# Altium PCB PCB1.PcbDoc (part 5 of 6) (continued)
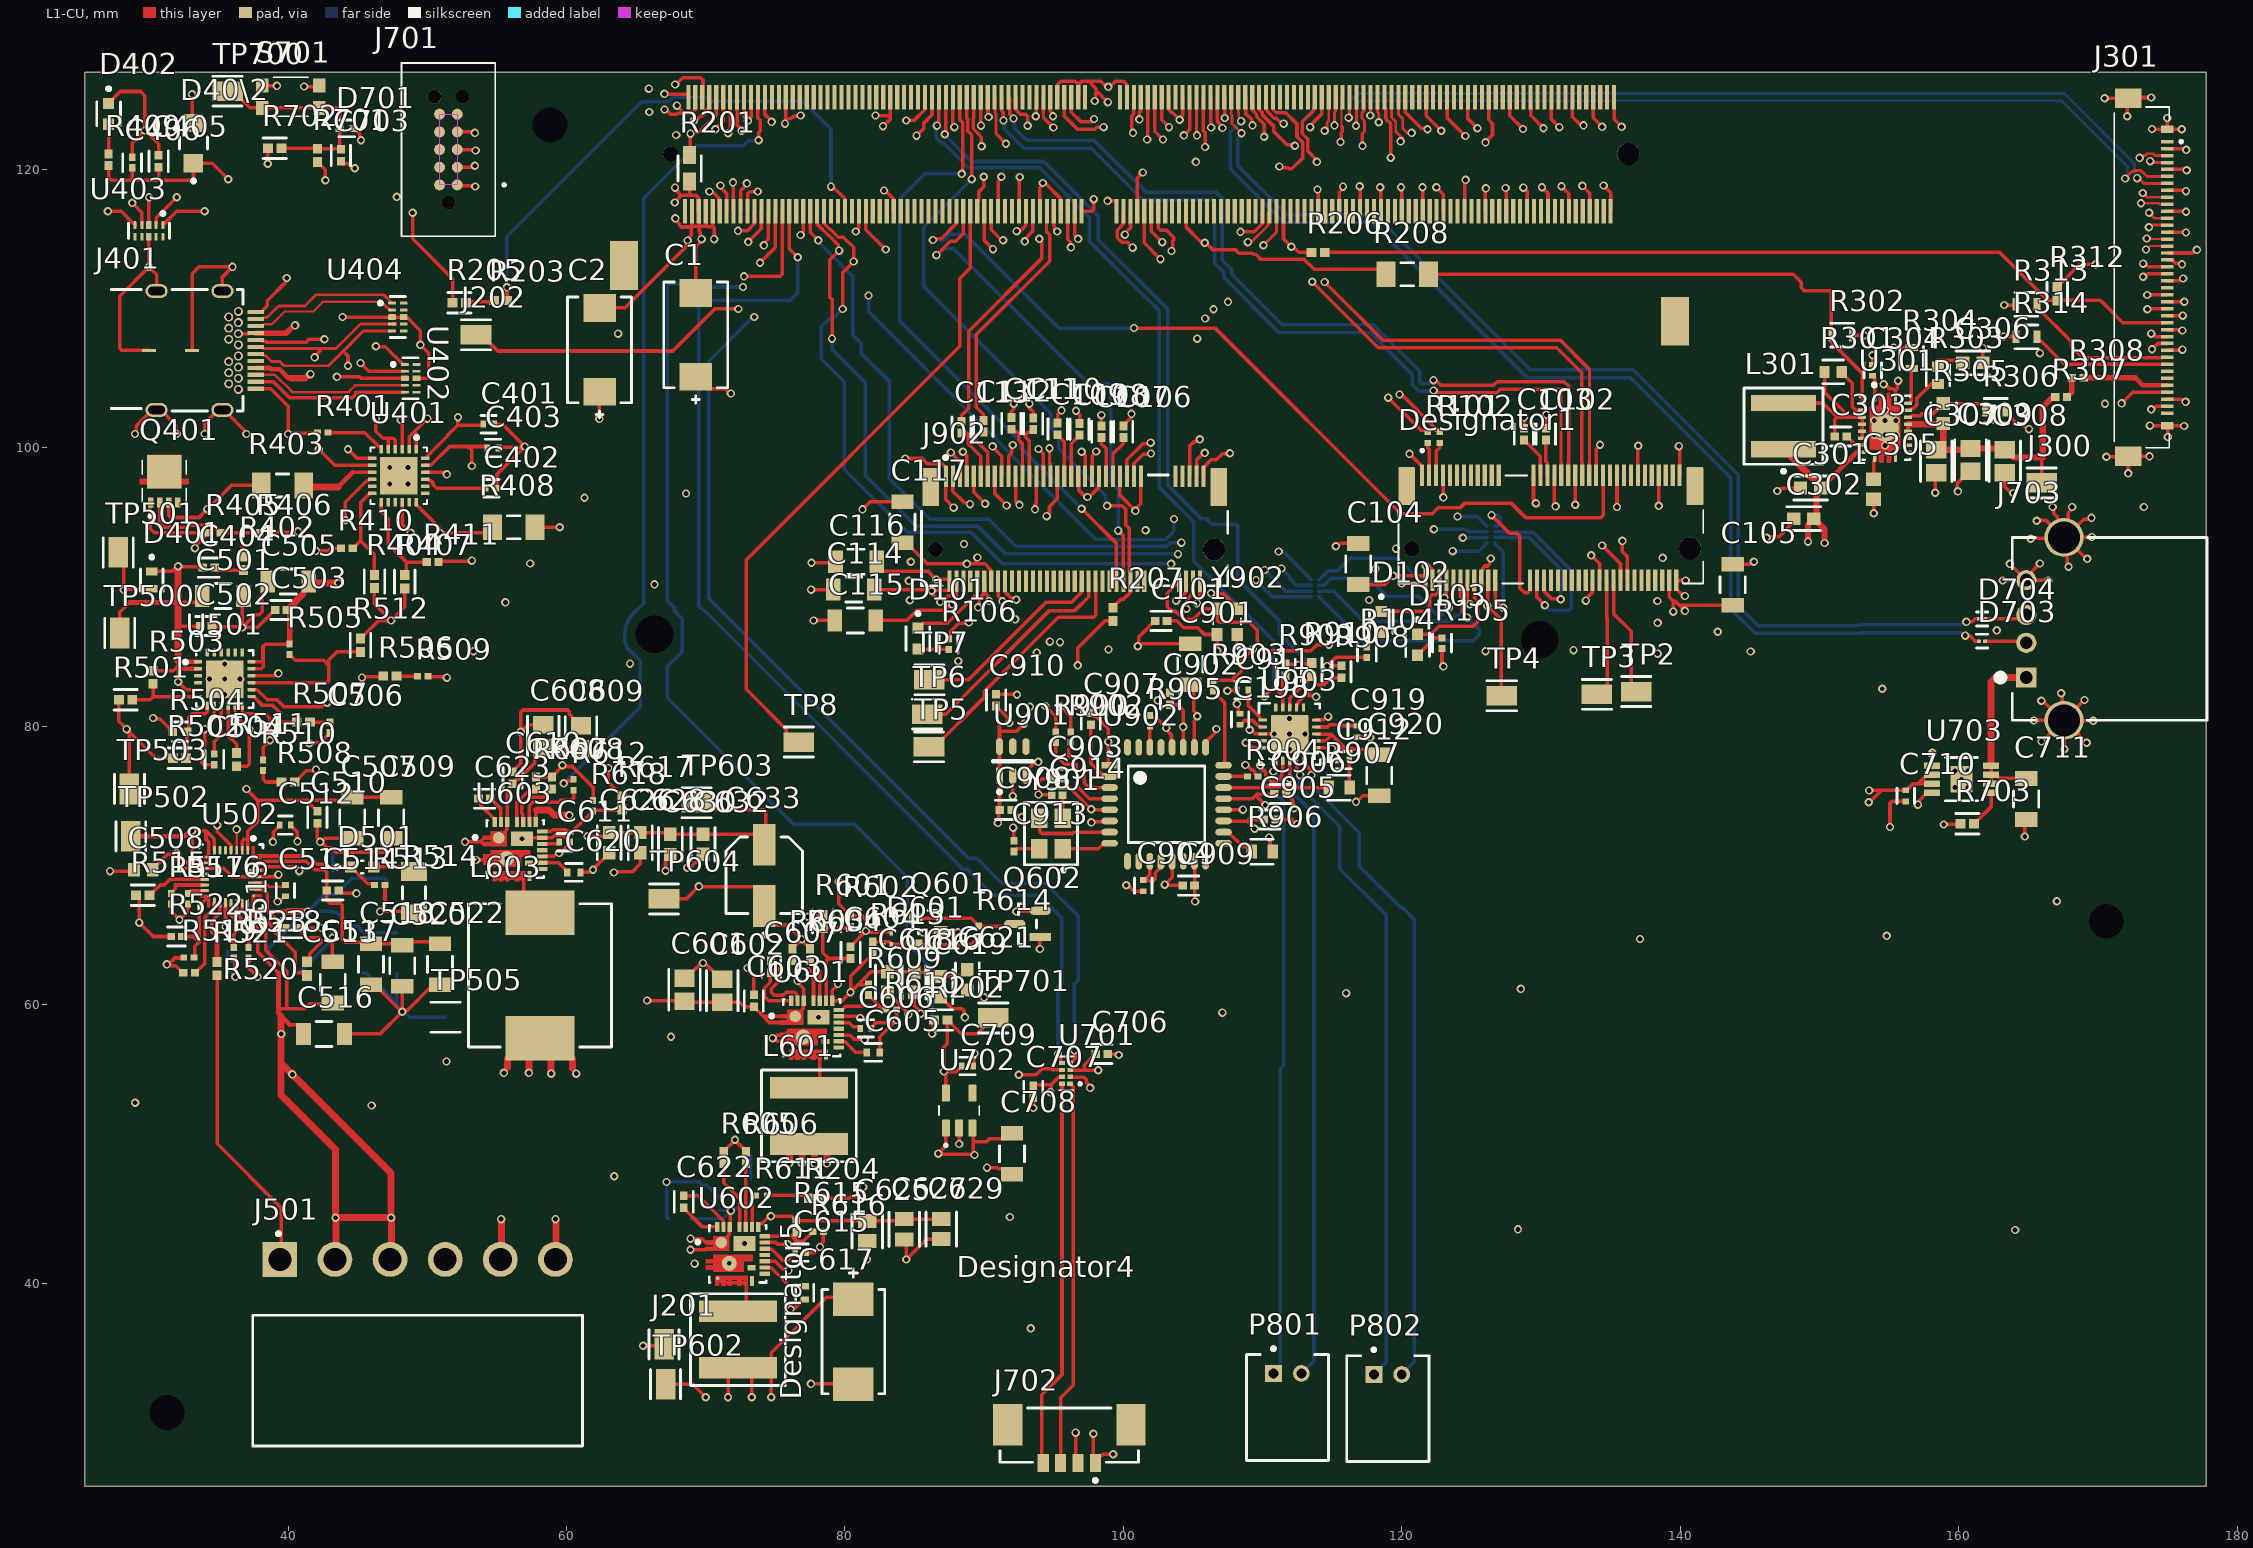
[diagram p0: L1-CU view]
## Nets (pads, with @x,y where several pads share a name; then routed paths per layer and width w, separated by ;. In a path a pad name is that pad's centre, name@x,y a point inside that pad or via, vN(x,y) a via of type N, cw(c..) or ccw(c..) an arc to the next point about the centre after c; other vN are vias at no path point) (continued)
  L1-CU w0.254: R208.2@121.922,112.471 148.107,112.471 148.688,111.891 148.688,111.51 148.895,111.303 150.837,111.303 150.837,107.604 153.061,105.38 U301.2@153.061,103.198
NetR301_2: R301.2 U301.3 | length 3.6
  L1-CU w0.254: R301.2@151.598,105.461 151.598,105.397 152.349,104.646 152.349,102.943 152.587,102.705 153.054,102.705 U301.3@153.061,102.698
NetR303_1: R303.1 U301.18 | length 3.4
  L1-CU w0.254: U301.18@156.534,102.705 156.643,102.814 156.686,102.814 156.693,102.821 156.738,102.821 156.975,103.057 156.975,103.535 158.032,104.592 R303.1@158.242,104.592 ; R303.1@158.212,104.42 158.242,104.45 R303.1@158.242,104.592 ; R303.1@158.242,104.803 R303.1@158.242,104.592 ; R303.1@158.516,104.592 R303.1@158.242,104.592
NetR304_2: R304.2 U301.19 | length 2.7
  L1-CU w0.254: U301.19@156.361,103.198 156.527,103.198 156.534,103.205 156.534,103.29 156.591,103.346 R304.2@156.591,105.676
NetR305_2: R305.2 R306.1 U301.17 | length 6.1
  L1-CU w0.254: U301.17@156.534,102.205 156.643,102.314 157.236,102.314 157.36,102.438 158.136,102.438 158.88,103.183 R305.2@158.894,103.183 161.621,103.183 161.912,102.892 R306.1@161.912,102.692
NetR401_2: R401.2 U401.6 | length 4.4
  L1-CU w0.254: R401.2@42.85,101.1 45.5,101.1 46.527,100.073 46.698,100.073 46.7,100.071 U401.6@46.7,99.9
NetR403_1: R403.1 U401.9 | length 5.4
  L1-CU w0.254: R403.1@41.125,97.3 R403.1@41.225,97.2 ; 44.65,98.25 U401.9@46.05,98.25
  L1-CU w0.35: 43.6,97.2 44.65,98.25
  L1-CU w0.5: R403.1@41.225,97.2 43.6,97.2
NetR506_1: R506.1 U501.16 | length 9.7
  L1-CU w0.254: U501.16@37.363,83.637 39.044,83.637 39.206,83.8 v1(39.3,83.8) ; v1(45.3,83.5) 45.35,83.55 46.775,83.55 R506.1@46.825,83.6
  L4-CU w0.254: v1(39.3,83.8) 44.893,83.8 45.193,83.5 v1(45.3,83.5)
NetR506_2: R506.2 R509.1 | length 1.5
  L1-CU w0.254: R506.2@47.775,83.6 R509.1@49.3,83.6
NetR507_2: R507.2 U501.13 | length 4.3
  L1-CU w0.254: U501.13@37.363,82.137 37.519,82.137 38.156,81.5 38.9,81.5 39.4,81 39.4,80.449 39.549,80.3 R507.2@40.625,80.3
NetR508_1: R508.1 U501.14 | length 13.1
  L1-CU w0.254: U501.14@37.363,82.637 37.37,82.63 37.77,82.63 38.5,81.9 39.2,81.9 39.7,81.4 42.406,81.4 42.706,81.7 v1(42.8,81.7) ; R508.1@40.475,76 40.5,76 41.313,76.813 41.913,76.813 v1(42,76.9)
  L4-CU w0.254: v1(42,76.9) 42.8,77.7 v1(42.8,81.7)
NetR515_1: R515.1 U502.13 | length 4.4
  L1-CU w0.254: R515.1@30.039,67.86 30.061,67.86 30.801,68.6 31.1,68.6 31.5,69 U502.13@34,69
NetR516_2: R516.2 U502.15 | length 1.3
  L1-CU w0.254: R516.2@32.8,68 32.8,68.025 32.975,68.2 U502.15@34,68.2
NetR517_2: R517.2 U502.14 | length 2.8
  L1-CU w0.254: R517.2@31.6,68 31.6,68.025 31.9,68.325 31.9,68.6 U502.14@34,68.6
NetR518_2: R518.2 U502.21 | length 3.6
  L1-CU w0.254: U502.21@36.3,67.3 36.3,66.543 36.584,66.259 36.584,65.819 37.155,65.248 R518.2@37.155,64.101
NetR519_2: R519.2 R522.1 U502.16 | length 6.2
  L1-CU w0.254: R522.1@32.357,64.9 33.2,64.9 33.6,64.5 ; R519.2@33.25,63.4 33.3,63.45 33.3,64.2 33.6,64.5 ; U502.16@34.269,67.769 33.6,67.1 33.6,64.5
NetR520_1: R520.1 U502.17 | length 5.6
  L1-CU w0.254: R520.1@33.31,62.296 33.335,62.296 34,62.961 34,66.266 34.657,66.923 34.657,67.028 34.673,67.044 34.673,67.323 U502.17@34.7,67.35
NetR521_1: R521.1 U502.18 | length 4.7
  L1-CU w0.254: 34.897,64.803 34.5,65.2 34.5,66 35.1,66.6 U502.18@35.1,67.325
  L1-CU w0.35: R521.1@34.897,63.072 34.897,64.803
NetR523_1: R523.1 U502.20 | length 3.4
  L1-CU w0.254: U502.20@35.9,67.3 35.9,66.4 36.2,66.1 36.2,65.162 36.101,65.063 R523.1@36.101,64.1
NetR609_1: R609.1 R610.2 U601.17 | length 4.7
  L1-CU w0.254: U601.17@79.55,59.623 79.573,59.646 79.786,59.646 80.039,59.9 82.475,59.9 ; R609.1@81.7,60.7 81.7,60.675 82.619,59.756 82.856,59.756 R610.2@82.954,59.658
NetR703_2: R703.2 U703.5 | length 2.7
  L1-CU w0.254: R703.2@161.1,73 161.121,73 162.325,74.204 U703.5@162.325,75.225
NetR900_2: R900.2 U902.4 | length 7
  L1-CU w0.249: R900.2@95.143,78.841 95.143,77.907 95.783,77.267 96.632,77.267 96.632,75.719 97.55,74.8 U902.4@99.009,74.8
NetR902_2: R902.2 U902.3 | length 5.8
  L1-CU w0.249: R902.2@96.215,78.854 96.215,78.479 96.078,78.342 96.078,77.816 96.859,77.816 97.18,77.494 97.18,75.946 97.526,75.6 U902.3@99.009,75.6
NetR903_2: R903.2 U902.24 | length 5.7
  L1-CU w0.254: R903.2@106.451,82.525 107.29,81.686 107.29,78.436 107.264,78.411 107.264,77.273 U902.24@107.191,77.2
NetR904_2: R904.2 U902.23 | length 1.7
  L1-CU w0.254: U902.23@107.191,76.4 107.195,76.396 108.916,76.396 R904.2@108.92,76.392
NetR905_2: R905.2 U902.30 | length 1.5
  L1-CU w0.254: U902.30@101.9,78.491 101.902,78.494 101.902,80.014 R905.2@101.905,80.016
NetR906_1: R906.1 U902.18 | length 2.7
  L1-CU w0.254: U902.18@107.191,72.4 107.542,72.4 108.576,71.366 108.972,71.366 109.22,71.118 R906.1@109.22,70.993
NetR907_1: R907.1 U902.22 | length 7.6
  L1-CU w0.254: U902.22@107.191,75.6 109.975,75.6 110.051,75.676 112.421,75.676 112.507,75.59 R907.1@114.744,75.59
NetR910_2: R910.2 U903.18 | length 2.9
  L1-CU w0.254: U903.18@111.938,81.351 111.938,81.998 113.304,83.365 113.326,83.365 113.535,83.574 R910.2@113.535,83.595
NewNet1: Q401.5_8
OVP: R502.2 R504.1 U501.7 | length 5
  L1-CU w0.254: R502.2@32.674,77.71 32.712,77.748 32.712,79.562 32.853,79.703 32.853,80.653 33.1,80.9 34.051,80.9 34.2,81.049 U501.7@34.2,81.475
PCIE0_CLK_N: J902.53 pad.160 | length 24.4
  L1-CU w0.249: v1(92.913,114.833) 92.913,114.994 93.5,115.581 pad.160@93.5,117 ; J902.53@100.253,97.971 100.253,99.149 101.417,100.314 101.888,100.314 v1(101.956,100.381)
  L4-CU w0.167: v1(92.913,114.833) 92.913,110.998 100.011,103.9 100.011,101.675 101.321,100.365 101.94,100.365 v1(101.956,100.381)
PCIE0_CLK_P: J902.55 pad.162 | length 24.6
  L1-CU w0.249: v1(92.329,115.57) 92.569,115.57 93,116.001 pad.162@93,117 ; J902.55@100.753,97.971 100.753,98.873 101.431,99.552 101.939,99.552 v1(101.981,99.593)
  L4-CU w0.167: v1(92.329,115.57) 92.329,113.131 92.446,113.014 92.446,110.804 99.544,103.706 99.544,101.482 101.43,99.595 101.979,99.595 v1(101.981,99.593)
PCIE0_RX3_N: J902.5 pad.155 | length 36.8
  L1-CU w0.249: v1(87.605,99.67) 88.253,99.022 J902.5@88.253,97.971 ; pad.155@94.75,125.2 94.75,124.201 94.742,124.193 94.945,123.989 v1(94.945,123.825)
  L6-CU w0.167: v1(87.605,99.67) 86.411,100.863 86.411,104.496 84.709,106.197 84.709,120.361 84.989,120.641 88.788,120.641 88.794,120.635 91.831,120.635 94.742,123.546 v1@94.742,123.622
PCIE0_RX3_P: J902.7 pad.157 | length 37.1
  L1-CU w0.249: v1(88.468,99.72) 88.753,99.436 J902.7@88.753,97.971 ; pad.157@94.25,125.2 94.25,124.062 94.259,124.053 94.259,123.724 v1(94.971,123.012)
  L6-CU w0.167: v1(88.468,99.72) 86.878,101.311 86.878,104.689 85.176,106.391 85.176,120.167 85.182,120.173 88.594,120.173 88.6,120.167 92.024,120.167 94.869,123.012 v1(94.971,123.012)
PCIE1_CLK_N: Designator1.49 pad.173 | length 62.9
  L1-CU w0.249: v1(114.452,111.912) 118.618,107.747 131.368,107.747 133.482,105.632 133.482,98.958 133.458,98.934 Designator1.49@133.458,98.034
  L1-CU w0.254: pad.173@90.25,125.2 90.273,125.177 90.273,123.824 v1(90.322,123.774)
  L3-CU-PWR w0.167: v1(90.322,123.774) 90.405,123.691 90.405,123.434 91.178,122.661 91.178,121.683 92.31,120.551 93.89,120.551 95.289,119.151 111.43,119.151 114.452,116.129 v1(114.452,111.912)
PCIE1_CLK_P: Designator1.47 pad.175 | length 63.1
  L1-CU w0.249: v1(113.563,111.938) 118.303,107.198 131.14,107.198 132.933,105.405 132.933,98.958 132.958,98.934 Designator1.47@132.958,98.034
  L1-CU w0.254: pad.175@89.75,125.2 89.757,125.193 89.757,123.165 v1(89.773,123.149)
  L3-CU-PWR w0.167: v1(89.773,123.149) 89.856,123.066 90.113,123.066 90.711,122.468 90.711,121.489 92.117,120.084 93.696,120.084 95.096,118.684 111.237,118.684 113.563,116.357 v1(113.563,111.938)
PCIE1_RX0_N: Designator1.43 pad.167 | length 59.7
  L1-CU w0.249: pad.167@91.75,125.2 91.846,125.104 91.846,123.964 92.109,123.7 v1(92.109,123.665) ; v1@122.531,104.765 122.798,104.497 126.587,104.497 126.855,104.765 131.661,104.765 131.982,104.444 131.982,98.958 131.958,98.934 Designator1.43@131.958,98.034
  L8-CU w0.249: v1(92.109,123.665) 92.153,123.621 92.153,122.992 93.061,122.084 97.92,122.084 101.624,118.379 106.639,118.379 107.106,117.912 107.106,113.492 107.772,112.826 107.772,112.471 111.404,108.839 117.958,108.839 121.294,105.502 121.294,104.754 121.44,104.608 121.918,104.608 122.189,104.878 v1@122.284,104.878
  other v1: 122.276,104.87
PCIE1_RX0_P: Designator1.41 pad.169 | length 59.8
  L1-CU w0.249: pad.169@91.25,125.2 91.25,124.201 91.385,124.065 v1(91.385,123.519) ; v1(122.284,104.124) 122.379,104.124 122.551,103.952 122.567,103.952 122.571,103.949 126.815,103.949 127.082,104.216 131.433,104.216 131.433,98.958 131.458,98.934 Designator1.41@131.458,98.034
  L8-CU w0.249: v1(91.385,123.519) 91.452,123.452 91.452,122.916 92.833,121.535 97.692,121.535 101.397,117.831 106.412,117.831 106.557,117.685 106.557,113.264 107.223,112.598 107.223,112.244 111.177,108.29 117.73,108.29 120.745,105.275 120.745,104.526 121.213,104.059 122.219,104.059 v1(122.284,104.124)
PCIE1_TX0_N: C102.2 Designator1.37 | length 2.6
  L1-CU w0.249: C102.2@130.35,100.579 130.35,99.041 130.458,98.934 Designator1.37@130.458,98.034
PCIE1_TX0_P: C103.1 pad.174 | length 46.9
  L1-CU w0.249: C103.1@128.769,101.412 128.769,101.856 128.778,101.865 v1(128.778,102.185)
  L1-CU w0.254: pad.174@90,117 90,114.902 v1(90.627,114.275)
  L3-CU-PWR w0.102: v1(90.627,114.275) 90.639,114.286 91.048,114.286 95.779,109.555 96.074,109.555 96.332,109.296 v1(105.867,109.296)
  L6-CU w0.167: v1(105.867,109.296) 108.083,109.296 108.306,109.296 115.392,102.21 128.753,102.21 v1(128.778,102.185)
PEWAKE0#: J902.54 pad.179 R207.1 | length 45.7
  L1-CU w0.254: pad.179@88.75,125.2 88.75,123.693 88.827,123.617 88.827,122.764 89.103,122.488 v1(89.103,119.304) ; v1(98.831,95.834) 99.927,95.834 100.152,95.609 100.152,94.488 100.41,94.231 100.41,91.139 100.503,91.046 J902.54@100.503,90.421 100.48,90.398 100.48,89.61 100.011,89.141 99.835,89.141 99.238,88.544 R207.1@99.238,88.519
  L8-CU w0.254: v1(89.103,119.304) 85.649,115.849 85.649,111.598 94.794,102.453 94.794,101.479 95.352,100.922 95.352,99.949 98.744,96.557 98.744,95.922 v1(98.831,95.834)
PGTH: R505.1 R512.1 U501.15 | length 12.7
  L1-CU w0.254: U501.15@37.363,83.137 42.751,83.137 42.9,83.286 42.9,84.4 ; R505.1@40.1,85.15 40.1,85.125 40.198,85.027 40.223,85.027 40.499,84.751 42.549,84.751 42.9,84.4 ; R512.1@45.2,85.343 43.492,85.343 42.9,84.751 42.9,84.4
POWER_BUTTON#: C703.1 D701.1 R701.2 R702.1 S701.1 S701.2 TP700.1 | length 15.7
  L1-CU w0.254: TP700.1@35.645,125.629 36.045,125.629 37.252,124.422 S701.2@38.133,124.422 S701.1@42.233,124.422 43.557,124.422 43.706,124.273 D701.1@43.706,122.949 43.706,121.521 C703.1@43.746,121.481 ; R702.1@39.514,121.525 42.069,121.525 R701.2@42.113,121.481 C703.1@43.746,121.481 ; C703.1@43.79,121.437 C703.1@43.746,121.481
POWER_BUTTON_SOM: pad.240 R701.1 | length 35
  L1-CU w0.254: R701.1@42.113,120.531 42.672,119.972 v1(42.672,119.228) ; v1(72.312,115.587) 72.329,115.604 72.993,115.604 73.477,116.089 73.477,116.977 pad.240@73.5,117
  L4-CU w0.254: v1(42.672,119.228) 46.287,115.613 v1(72.312,115.587)
REGN: C508.2 R519.1 R520.2 U502.5 | length 25.3
  L1-CU w0.254: v1(27.2,69.6) 28.825,69.6 C508.2@28.925,69.7 ; R520.2@32.46,62.296 32.435,62.296 31.923,62.809 31.373,62.809 v1(31.285,62.896) 31.407,62.896 31.867,63.356 32.456,63.356 R519.1@32.5,63.4 ; v1(34.9,72.9) 34.9,72.434 35.9,71.434 U502.5@35.9,71.1
  L4-CU w0.254: v1(31.285,62.896) 29.804,62.896 27.2,65.5 v1(27.2,69.6) 30.713,73.113 34.594,73.113 34.806,72.9 v1(34.9,72.9)
SoM_VIN: 
SPKR_L_N: P801.1 U903.7 | length 48.2
  L1-CU w0.254: v1(109.83,77.191) 109.83,77.097 110.212,76.714 110.212,76.438 110.589,76.06 111.051,76.06 111.377,76.387 111.377,76.601 111.438,76.662 U903.7@111.438,77.526
  L8-CU w0.254: v1(109.83,77.191) 109.83,76.276 111.506,74.6 111.506,55.651 111.258,55.404 111.258,33.987 P801.1@110.785,33.514
SPKR_R_N: P802.1 U903.9 | length 47.2
  L1-CU w0.254: U903.9@112.438,77.526 112.445,77.519 112.445,76.851 112.695,76.601 v1(112.695,76.494)
  L8-CU w0.254: v1(112.695,76.494) 112.62,76.418 112.62,76.018 112.598,75.997 112.598,75.743 115.545,72.796 115.545,69.774 118.897,66.421 118.897,34.336 P802.1@117.999,33.438
SPKR_R_P: P802.2 U903.10 | length 47.8
  L1-CU w0.254: U903.10@112.938,77.526 112.938,77.36 113.446,76.852 113.446,76.571 v1(113.513,76.505)
  L8-CU w0.254: v1(113.513,76.505) 113.513,75.794 116.942,72.365 116.942,69.952 119.939,66.954 120.066,66.954 120.897,66.123 120.897,34.336 P802.2@119.999,33.438
SSRXN1: J401.B10 U403.2 | length 15.2
  L1-CU w0.254: U403.2@30.5,116 30.527,116.027 30.527,116.527 v1(32,118)
  L4-CU w0.254: v1(32,118) 33,117 33,115 32,114 32,111 34.4,108.6 J401.B10@35.73,108.6
SSRXN2: J401.A10 U402.4 | length 11.4
  L1-CU w0.18: J401.A10@37.68,105.25 39.05,105.25 40.3,104 44.336,104 44.836,104.5 U402.4@48.382,104.5
SSRXP1: J401.B11 U403.1 | length 14.1
  L1-CU w0.254: U403.1@31,116 31,116.129 31.027,116.156 31.156,116.156 32,117 v1(34,117)
  L4-CU w0.254: v1(34,117) 34,116 35,115 35,114 33,112 33,111 34.6,109.4 J401.B11@35.73,109.4
SSRXP2: J401.A11 U402.5 | length 11.4
  L1-CU w0.254: J401.A11@37.68,104.75 38.95,104.75 40.1,103.6 44.6,103.6 44.844,103.844 44.844,103.973 44.871,104 U402.5@48.382,104
SSTXN1: J401.A3 U404.2 | length 10.8
  L1-CU w0.17: J401.A3@37.68,108.75 38.13,108.75 38.265,108.885 38.835,108.885 39.75,109.8 41.8,109.8 42.5,110.5
  L1-CU w0.2: 42.5,110.5 46.687,110.5 47.117,110.07 47.165,110.07 47.282,109.953 47.282,109.9 U404.2@47.465,109.9
SSTXN2: J401.B3 U403.4 | length 21.2
  L1-CU w0.254: v1(28.8,117.6) 29.5,116.9 U403.4@29.5,116
  L4-CU w0.254: v1(28.8,117.6) 28,116.8 28,107 29.6,105.4 J401.B3@35.73,105.4
SSTXP1: J401.A2 U404.1 | length 10.8
  L1-CU w0.2: J401.A2@37.68,109.25 37.73,109.3 38.18,109.3 38.25,109.37 38.47,109.37 39.3,110.2 41.2,110.2 42,111 46.865,111 U404.1@47.465,110.4
SSTXP2: J401.B2 U403.5 | length 22.5
  L1-CU w0.254: v1(27.047,117) 28,117 28.844,116.156 28.973,116.156 29,116.129 U403.5@29,116
  L4-CU w0.254: v1(27.047,117) 27.047,116.969 26.616,116.538 26.616,115.841 27,115.457 27,107 29.4,104.6 J401.B2@35.73,104.6
STAT: D501.1 R513.2 U502.1 | length 9.6
  L1-CU w0.254: U502.1@37.531,70.569 37.647,70.684 41.459,70.684 42.059,70.084 42.759,70.084 42.943,69.9 D501.1@44.5,69.9 45.706,68.694 46.11,68.694 R513.2@46.208,68.596
SW: C303.1 L301.2 R301.1 U301.4 U301.5 U301.6 U301.7 | length 13
  L1-CU w0.254: L301.2@147.416,103.226 150.241,103.226 151.269,102.198 ; R301.1@150.368,105.461 150.368,103.995 152.165,102.198 ; C303.1@151.108,100.813 151.108,102.036 151.269,102.198 ; U301.7@153.061,100.698 U301.6@153.061,101.198 U301.5@153.061,101.698 U301.4@153.061,102.198 152.165,102.198 ; 151.269,102.198 152.165,102.198
SW_6V: 
SYS_IN: 
SYS_IN1: C1.1 C2.1 C515.1 C519.1 C521.1 C523.1 C524.1 C525.1 C601.1 C602.1 C603.1 C608.1 C609.1 C610.1 C612.1 C613.1 C614.1 pad.251 pad.252 pad.253 pad.254 pad.255 pad.256 pad.257 pad.258 pad.259 R201.1 R201.2 R601.2 TP504.1 U502.25 U601.1-2-26 U601.22 U602.1-2-26 U602.22 U603.1-2-26 U603.22 | length 122.8
  L1-CU w0.254: U502.25@37.6,68.3 37.627,68.273 38.227,68.273 38.5,68 38.5,66.7 38.579,66.7 39.779,65.5 C515.1@39.8,65.5 ; v1(52.7,71.7) 53.797,71.7 ; 54.013,71.55 53.863,71.7 53.797,71.7 ; C609.1@61.039,78.391 60.98,78.449 C608.1@58.328,78.449 58.228,78.449 57.727,77.949 57.727,77.386 56.519,76.178 56.397,76.178 56.126,75.907 C610.1@56.126,75.886 56.126,75.864 55.738,75.475 U603.22@55.738,73.113 55.715,73.09 55.715,72.577 U603.1-2-26@55.128,71.991 54.087,71.991 53.797,71.7 ; C2.1@62.368,110.052 64.191,110.052 68.613,114.474 68.613,114.813 v1(68.7,114.9) 68.7,115.024 68.947,115.27 68.947,115.747 ; v1(65.786,60.3) 68.418,60.3 C601.1@68.469,60.249 68.53,60.188 C602.1@71.179,60.188 72.453,60.188 72.78,59.861 73.431,59.861 C603.1@73.431,59.839 ; v1(67.028,125.428) 67.056,125.4 68.727,125.4 68.75,125.377 pad.259@68.75,125.2 ; v1(67.031,124.309) 67.124,124.309 67.482,123.952 67.869,123.952 67.96,124.043 68.464,124.043 ; v1(67.767,117.627) 67.767,117.656 68.247,118.135 67.966,118.417 67.966,118.428 67.793,118.601 v1(67.793,118.694) ; v1(67.8,126.1) 67.842,126.1 68.342,126.6 69.651,126.6 69.8,126.451 69.8,126.229 69.773,126.202 69.773,125.223 pad.255@69.75,125.2 ; v1(67.818,116.484) 67.818,116.361 68.085,116.094 68.085,116.026 68.244,115.868 68.825,115.868 68.947,115.747 ; v1(67.92,124.587) 68.464,124.043 ; 68.351,118.135 68.836,118.135 ; pad.259@68.75,124.427 pad.259@68.775,124.452 ; R201.2@68.834,119.131 68.836,119.129 68.836,118.135 ; R201.1@68.834,121.031 68.9,121.097 v1(68.9,122.575) 68.987,122.662 69.496,122.662 70.75,123.916 pad.251@70.75,125.2 ; v1(68.9,42.4) 69.925,42.4 70,42.475 ; v1(68.9,43.2) 69.725,43.2 70,42.925 ; 69,115.927 pad.258@69,117 ; v1(69.139,123.495) 69.263,123.495 69.633,123.865 69.785,123.865 69.887,123.967 69.887,124.112 70.227,124.452 70.227,125.177 pad.253@70.25,125.2 ; pad.257@69.25,125.2 69.25,124.475 69.227,124.452 69.227,124.289 68.981,124.043 68.464,124.043 ; C1.1@69.279,111.129 69.279,114.455 69.7,114.876 v1(69.7,115) 69.613,115.087 69.613,115.478 69.523,115.568 69.523,115.927 ; pad.254@70,117 70.023,116.977 70.023,116.026 70.149,115.9 70.5,115.9 ; 70.023,115.927 69.523,115.927 ; pad.252@70.5,117 70.5,115.9 ; v1(70.6,115) 70.6,115.8 70.5,115.9 ; U602.1-2-26@71.116,42.916 71.702,43.502 71.702,44.014 U602.22@71.725,44.037 71.748,44.06 71.748,45.148 v1(71.8,45.2) ; C603.1@73.447,59.845 73.447,59.823 73.607,59.664 73.628,59.664 74.119,59.173 ; 75.313,58.723 74.569,58.723 74.119,59.173 ; v1(76.6,61.7) 76.6,61.576 77.038,61.139 U601.22@77.038,60.286 77.015,60.263 77.015,59.75 76.438,59.173 74.119,59.173 ; v1(77.343,66.319) 77.412,66.388 78.331,66.388 R601.2@78.4,66.457 ; 68.836,118.135 69.32,118.135 69.477,117.979 69.477,117.023 pad.256@69.5,117 69.523,116.977 69.523,115.927 ; 68.947,115.747 69.127,115.927 69.523,115.927
  L1-CU w0.35: 38.579,66.7 39.982,66.7
  L1-CU w0.5: 39.982,66.7 v1(41.4,66.7)
  L3-CU-PWR w0.254: 65.9,43.1 66.2,42.8 ; 66,44.7 66.1,44.8 67.1,44.8 67.5,45.2 v1(71.8,45.2) ; v1(68.9,42.4) 68.816,42.316 67.516,42.316 67.5,42.3 66.4,42.3 66.2,42.5 66.2,42.8 ; v1(68.9,43.2) 68.858,43.2 68.358,42.7 66.3,42.7 66.2,42.8
  L8-CU w0.254: C524.1@38.621,63.827 38.621,64.102 41.132,66.613 41.313,66.613 v1(41.4,66.7) ; v1@41.4,66.706 v1(41.4,66.7) ; TP504.1@47.1,68.9 46.9,69.1 44.6,69.1 43.444,67.944 42.644,67.944 v1(41.4,66.7) ; C525.1@47.8,65.175 45.428,65.175 C523.1@45.381,65.222 44.983,65.62 44.505,65.62 43.475,66.65 C519.1@43.2,66.65 43.15,66.7 v1(41.4,66.7) ; C612.1@68.959,44.629 71.229,44.629 v1(71.8,45.2) ; C614.1@70.977,45.269 71.011,45.235 71.765,45.235 v1(71.8,45.2) ; C613.1@73.245,45.87 72.745,45.369 72.093,45.369 71.924,45.2 v1(71.8,45.2)
SYS_RESET#: pad.239 Q602.1 R204.1 R612.1 | length 126.5
  L1-CU w0.254: v1(59.8,75.9) 59.894,75.9 60.096,76.102 60.402,76.102 R612.1@60.5,76.2 ; pad.239@73.75,125.2 73.75,123.692 73.913,123.529 73.913,122.746 73.8,122.634 v1(73.8,122.1) ; R204.1@78.35,46.1 80.301,46.1 80.401,46.2 81,46.2 ; 81.106,46.2 81.219,46.313 81.219,46.813 v1(81.306,46.9) ; v1(94,64) 94,64.83 Q602.1@94.02,64.85
  L4-CU w0.254: v1(59.8,75.9) 60.717,75.9 62.43,77.613 69.415,77.613 76.177,70.85 87.15,70.85 v1(94,64) 94,59.7 v1@81.2,46.9
  L8-CU w0.254: v1(59.8,75.9) 65.289,81.389 65.289,84.698 64.357,85.63 64.315,85.672 cw(c66.599,86.495) 64.748,88.065 65.532,88.849 65.532,117.932 69.312,121.712 72.704,121.712 73.063,122.072 73.772,122.072 v1(73.8,122.1)
SYS_RESET#_6V: R204.2 R611.1 | length 3.1
  L1-CU w0.254: R611.1@74.4,46.3 77.175,46.3 77.375,46.1 R204.2@77.4,46.1 R204.2@77.425,46.1
USB2_1_D+: D704.2 J703.3 | length 3.1
  L1-CU w0.249: D704.2@161.902,87.714 164.57,87.714 J703.3@164.856,88
USB2_1_D-: D703.2 J703.2 | length 3
  L1-CU w0.249: D703.2@161.902,86.119 164.737,86.119 J703.2@164.856,86
USB_D_N: pad.121 R902.1 | length 56.7
  L1-CU w0.249: pad.121@105.25,125.2 105.25,122.486 v1(105.283,122.453)
  L1-CU w0.254: v1(95.504,81.432) 96.228,80.709 96.228,79.616 R902.1@96.215,79.604
  L4-CU w0.167: v1(95.446,86.045) 95.446,85.928 95.315,85.797 95.315,83.862 95.179,83.726 95.179,81.747 95.493,81.432 v1(95.504,81.432)
  L6-CU w0.167: v1(95.446,86.045) 95.446,86.163 95.315,86.293 95.315,86.96 97.673,89.319 97.673,93.107 96.114,94.666 96.114,98.095 103.902,98.095 104.175,98.369 104.175,113.294 104.546,113.665 104.546,120.041 104.14,120.447 104.14,121.107 104.384,121.107 105.047,121.77 105.047,122.139 105.283,122.375 v1(105.283,122.453)
USB_D_P: pad.123 R900.1 | length 56.7
  L1-CU w0.249: v1(104.343,122.453) 104.75,122.86 pad.123@104.75,125.2
  L1-CU w0.254: v1(94.386,81.458) 95.133,80.711 95.133,79.602 R900.1@95.143,79.591
  L4-CU w0.167: v1(94.386,81.458) 94.397,81.458 94.712,81.772 94.712,83.92 94.848,84.056 94.848,85.833 94.717,85.963 v1(94.717,86.081)
  L6-CU w0.167: v1(94.717,86.081) 94.717,86.198 94.848,86.329 94.848,87.154 97.206,89.512 97.206,92.913 95.646,94.473 95.646,98.288 95.92,98.562 103.708,98.562 103.708,113.488 104.216,113.995 104.216,119.71 103.81,120.117 103.81,121.244 104.237,121.672 104.288,121.672 104.579,121.963 104.579,122.139 104.343,122.375 v1(104.343,122.453)
USB_E_N: Designator1.5 R102.2 | length 2.4
  L1-CU w0.249: Designator1.5@122.458,98.034 122.458,99.747 122.72,100.01 R102.2@122.72,100.359
USB_E_P: Designator1.3 R101.2 | length 2.4
  L1-CU w0.249: R101.2@121.859,100.359 121.859,100.01 121.958,99.911 Designator1.3@121.958,98.034
USB_VBUS: C711.1 J703.1 U703.6 U703.7 U703.8 | length 12.6
  L1-CU w0.254: U703.6@162.325,75.875 U703.7@162.325,76.525 ; U703.8@162.325,77.175 U703.7@162.325,76.525 ; C711.1@164.846,76.254 162.946,76.254 162.675,76.525 U703.7@162.325,76.525
  L1-CU w0.5: U703.8@162.325,77.175 162.325,83.179 162.646,83.5 J703.1@164.856,83.5
UVLO: R501.2 R503.1 U501.6 | length 5.8
  L1-CU w0.254: R501.2@28.8,81.9 30.1,81.9 30.337,82.137 ; R503.1@30.3,83.05 30.3,82.1 30.337,82.137 ; U501.6@33.537,82.137 30.337,82.137
VBAT_10V: R307.2 R308.1 | length 1.5
  L1-CU w0.254: R307.2@167.786,103.657 167.811,103.657 167.959,103.805 R307.2@167.959,103.83
  L1-CU w0.4: R307.2@167.959,103.83 168.13,104.002 R308.1@168.13,105.041
VBUS: 
VBUS_AUDIO: C907.1 U902.2 | length 4.5
  L1-CU w0.254: C907.1@97.655,80.124 97.655,77.353 98.608,76.4 U902.2@99.009,76.4
VBUS_CONN: C401.1 C405.1 C406.1 D40\2.1 J401.A4 J401.A9 J401.B4 J401.B9 Q401.1 R405.2 R408.2 R409.2 U401.24 | length 97.6
  L1-CU w0.254: R409.2@27.1,120.275 27.1,119.374 27.249,119.225 28.949,119.225 ; C406.1@28.8,120.121 28.8,119.374 28.949,119.225 ; Q401.1@30.125,96.075 30.1,96.05 30.1,94.2 30.4,93.9 R405.2@34.275,93.9 ; C405.1@30.7,120.171 30.7,119.374 30.849,119.225 ; v1(33.3,92.8) 33.376,92.876 33.376,93.001 R405.2@34.275,93.9 ; R405.2@34.3,93.9 R405.2@34.275,93.9 ; v1(35.7,119.3) 34.55,120.45 D40\2.1@33.2,120.45 33.2,119.225 30.849,119.225 ; J401.B9@36.43,108.2 37.18,108.2 37.23,108.25 J401.A4@37.68,108.25 ; U401.24@49.85,99.25 51.437,100.837 51.437,100.891 52.173,101.627 ; v1(52.2,102.2) 52.173,102.173 52.173,101.627 ; C401.1@53.927,101.627 52.173,101.627 ; R408.2@57.725,94.3 v1(59.5,94.3) ; 28.949,119.225 30.849,119.225
  L1-CU w0.35: J401.A9@37.68,105.75 38.683,105.75 38.788,105.645 39.382,105.645 40.027,105 40.2,105
  L1-CU w0.4: J401.A4@37.68,108.25 39.866,108.25 40.416,108.8 v1(40.5,108.8)
  L1-CU w0.45: 40.2,105 41.229,105 41.529,105.3 v1(41.6,105.3)
  L3-CU-PWR w0.4: 41.1,105.8 v1(41.6,105.3)
  L3-CU-PWR w0.45: J401.B4@36.43,105.8 41.1,105.8
  L4-CU w0.254: v1(33.3,92.8) 41.6,101.1 v1(41.6,105.3) 40.5,106.4 v1(40.5,108.8) 40.5,110.5 40.513,110.513 40.513,113.155 35.7,117.968 v1(35.7,119.3) ; v1(52.2,102.2) 52.287,102.113 52.287,101.513 v1(59.5,94.3)
  L6-CU w0.254: v1(41.6,105.3) 43.15,103.75 50.65,103.75 v1(52.2,102.2)
VBUS_EN_SNK#: R406.1 U401.16 | length 12.5
  L1-CU w0.254: R406.1@38.85,93.9 38.9,93.95 40.65,93.95 v1(40.7,94) ; U401.16@48.2,96.1 48.2,94.5 v1(48.8,93.9)
  L6-CU w0.254: v1(40.7,94) 41.9,94 42,93.9 v1(48.8,93.9)
VBUS_VS_DISCH: R408.1 U401.18 | length 6.8
  L1-CU w0.254: U401.18@49.2,96.1 49.2,95.929 50.813,94.316 50.813,93.987 v1(50.9,93.9) 54.275,93.9 R408.1@54.675,94.3
VCOM: C904.1 U902.11 U902.12 | length 3.9
  L1-CU w0.254: U902.11@101.9,70.309 101.9,69.334 101.6,69.034 101.549,69.034 101.476,68.961 101.476,68.91 102.137,68.91 102.286,69.059 102.286,69.489 102.7,69.904 U902.12@102.7,70.309
VREG2V7: C403.1 R410.2 R411.2 U401.23 | length 29
  L1-CU w0.254: v1(42,92.6) 42.879,92.6 43.079,92.8 R410.2@43.8,92.8 ; U401.23@49.85,98.75 49.852,98.752 50.252,98.752 51.6,100.1 52.918,100.1 ; R411.2@50.8,91.8 50.85,91.85 53.15,91.85 v1(53.2,91.9) ; v1(53.2,98.7) 53.2,99.818 52.918,100.1 ; C403.1@54.31,99.996 54.31,100.027 54.237,100.1 52.918,100.1
  L4-CU w0.254: v1(42,92.6) 53,92.6 53.2,92.8 ; v1(53.2,91.9) 53.2,92.8 ; v1(53.2,98.7) 53.2,92.8
VSYS_OUT: C503.1 C505.1 C507.1 C509.1 C510.1 R505.2 TP502.1 U501.17 U501.18 U502.2 U502.3 U502.8 U502.9 | length 64.7
  L1-CU w0.254: U502.9@34.137,70.613 34.125,70.6 33.249,70.6 33.1,70.749 v1(33.1,72.5) 34.1,72.5 ; 34.3,71.4 34.3,71.7 34.1,71.9 34.1,72.5 ; U502.8@34.7,71.1 34.7,71.9 34.1,72.5 ; U502.3@36.7,71.1 36.7,71.751 36.849,71.9 37,71.9 37.1,72 ; v1(37,75.5) 37.8,74.7 ; U502.2@37.1,71.1 37.1,72 ; U501.17@37.363,84.138 38.051,84.138 38.2,84.286 38.2,84.643 38.194,84.637 ; U501.18@37.363,84.637 38.194,84.637 ; C503.1@39.917,88.36 39.939,88.36 C503.1@40.1,88.199 ; R505.2@40.1,85.9 38.343,85.9 38.194,85.751 38.194,84.637 ; 41.077,89.498 41.077,90.002 C505.1@41.475,90.4 C505.1@41.575,90.3 ; C510.1@42.1,73.9 42.1,73.921 41.941,74.081 41.919,74.081 41.3,74.7 ; C509.1@47.4,74.9 C507.1@44.6,74.9 44.4,74.7 41.3,74.7 ; 37.1,72 37.1,72.451 37.8,73.151 37.8,74.7 ; 37.8,74.7 41.3,74.7
  L1-CU w0.35: TP502.1@28.7,72.1 32.576,72.1 v1@32.976,72.5
  L1-CU w0.4: R505.2@40.1,85.9 C503.1@40.1,88.199
  L1-CU w0.5: C503.1@39.939,88.36 41.077,89.498 ; C505.1@41.575,90.3 v1(43.6,90.3)
  L6-CU w0.5: v1(33.1,72.5) 36.023,75.423 36.923,75.423 v1(37,75.5) 39.188,75.5 43.6,79.912 v1(43.6,90.3)
pads on no net: Designator1. Designator1.9 Designator1.11 Designator1.13 Designator1.15 Designator1.17 Designator1.19 Designator1.21 Designator1.23 Designator1.38 Designator1.40 Designator1.42 Designator1.44 Designator1.46 Designator1.48 Designator1.55 Designator1.59 Designator1.61 Designator1.62 Designator1.64 Designator1.65 Designator1.66 Designator1.67 Designator1.68 Designator1.70 Designator1.71 Designator1.73 Designator1.S1 Designator1.S2 J301.1 J301.22 J301.34 J301.35 J301.40 J401.A8 J401.B8 J501.4 J701. J701.5 J701.6 J701.7 J701.8 J701.9 J701.10 J702.5 J702.6 J902. J902.6 J902.8 J902.20 J902.22 J902.24 J902.26 J902.28 J902.30 J902.32 J902.34 J902.36 J902.38 J902.46 J902.48 J902.56 J902.58 J902.67 J902.69 J902.76 J902.77 Q401.4 U301.11 U301.12 U301.13 U401.11 U401.14 U401.15 U401.17 U401.19 U401.20 U402.6 U402.7 U402.9 U402.10 U403.6 U403.7 U403.9 U403.10 U404.6 U404.7 U404.9 U404.10 U501.3 U501.4 U501.19 U501.20 U501.21 U501.22 U501.23 U501.24 U502.6 U502.7 U502.12 U601.10 U601.11 U601.14 U601.28 U602.10 U602.11 U602.14 U602.28 U603.10 U603.11 U603.14 U603.28 U702.4 U901.4 U901.5 U902.9 U902.10 U902.14 U902.16 U902.17 U902.29 U902.31 U902.32 U903.16 U903.20

## Polygon pours and split planes (outlines as drawn)
GND on GND "GND_L02_P000" (solid, remove dead copper, pour order 0): 177.775,25.425 177.749,25.4 25.4,25.4 25.4,127 177.775,127
GND on L5-CU-GND "GND_L05_P002" (solid, remove dead copper, pour order 2): 177.775,25.425 177.749,25.4 25.4,25.4 25.4,127 177.775,127
GND on L7-CU-GND "GND_L07_P003" (solid, remove dead copper, pour order 3): 177.775,25.425 177.749,25.4 25.4,25.4 25.4,127 177.775,127